# KiCad board KlusterLab r2.0.kicad_pcb (continued)
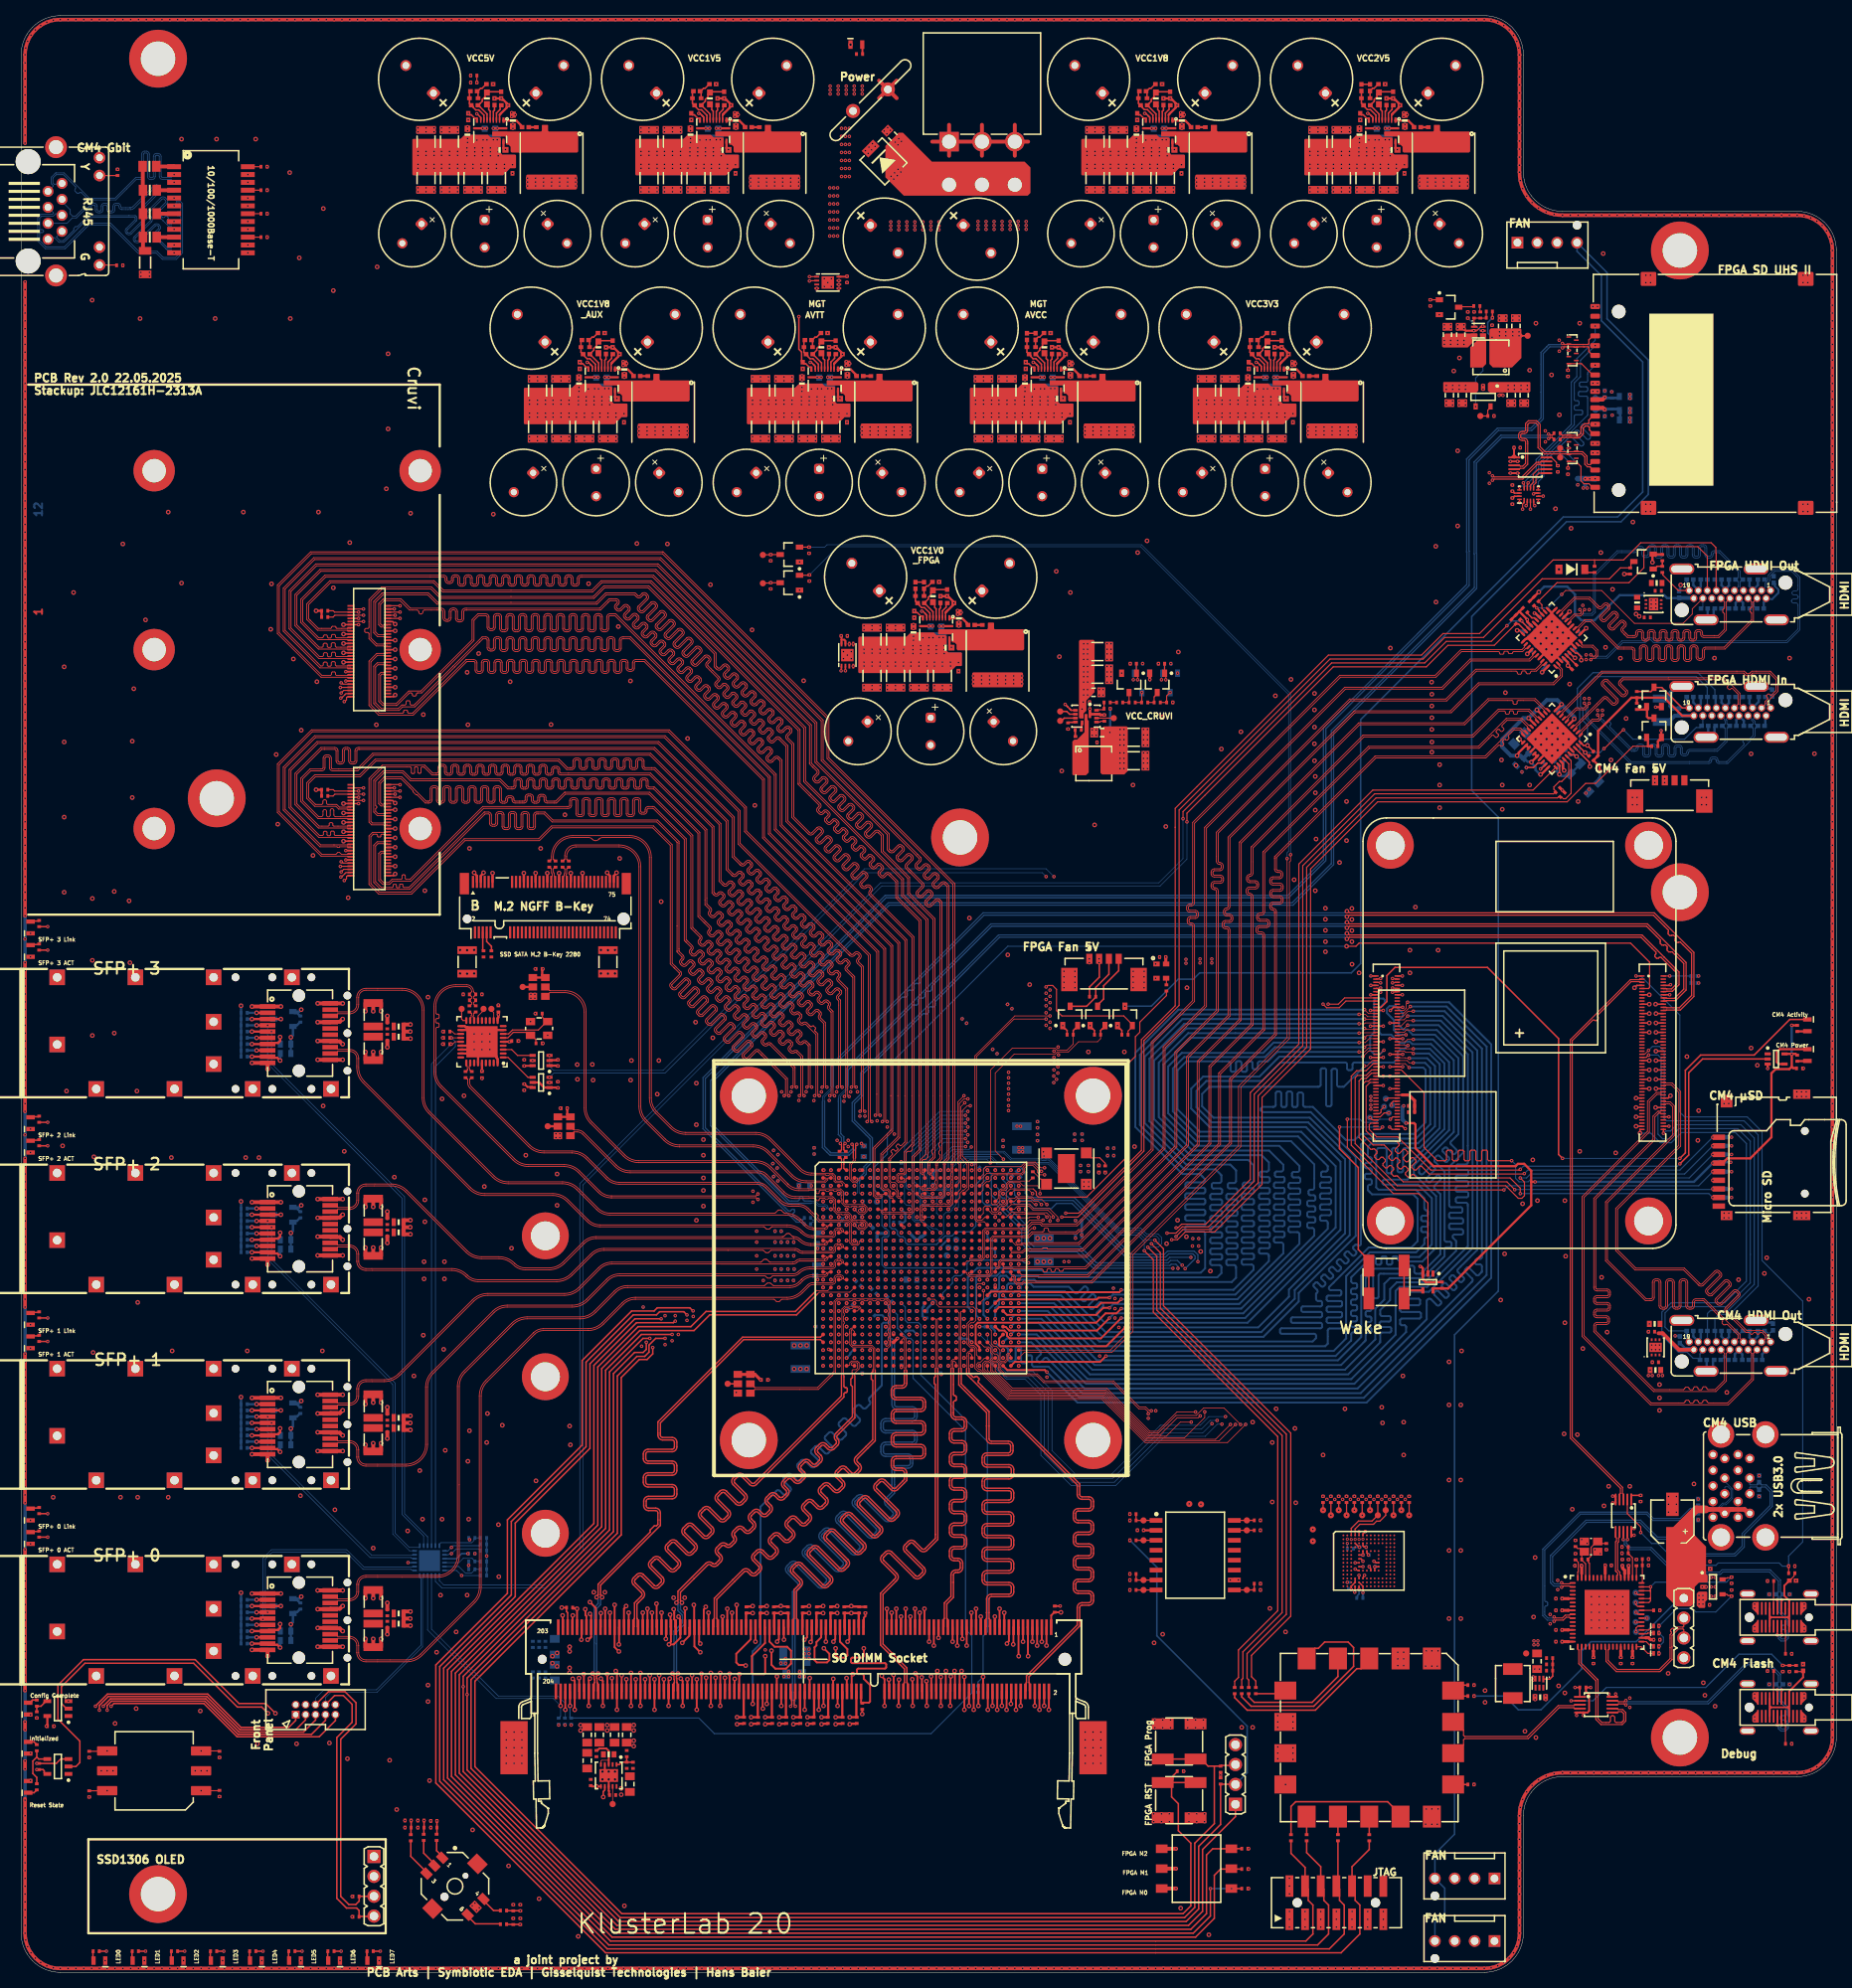
[diagram p0: board, top side]
## Routing (per net, layer and track width the routed paths; a pad name or vN(x,y) marks a point on that pad's centre or on a via; arc(x,y) is an arc through that point) (continued)
CRUVI_B_9_P: length 156.1
  L1 Top w0.114: 85.28,123.55 85.48,123.36 arc(85.48,123.36) 85.48,123.36 arc(85.72,123.25) 85.98,123.32 85.99,123.32 87.17,124.51 arc(87.27,124.55) 87.37,124.51 87.57,124.31 arc(87.61,124.21) 87.57,124.11 arc(87.57,124.11) 87.57,124.11 86.42,122.96 arc(86.31,122.69) 86.42,122.42 86.62,122.22 arc(86.86,122.11) 87.12,122.18 87.12,122.18 88.31,123.37 arc(88.41,123.41) 88.51,123.37 88.71,123.17 arc(88.75,123.07) 88.71,122.97 arc(88.71,122.97) 88.71,122.97 87.56,121.82 arc(87.45,121.55) 87.56,121.28 87.76,121.08 arc(88,120.97) 88.26,121.05 88.26,121.05 89.45,122.23 arc(89.55,122.27) 89.65,122.23 89.85,122.03 arc(89.89,121.93) 89.85,121.83 arc(89.85,121.83) 89.85,121.83 88.69,120.68 arc(88.58,120.41) 88.7,120.14 88.89,119.94 arc(89.14,119.83) 89.39,119.91 89.4,119.91 90.59,121.09 arc(90.68,121.14) 90.78,121.09 90.98,120.89 arc(91.03,120.79) 90.98,120.7 arc(90.98,120.69) 90.98,120.69 89.83,119.54 arc(89.72,119.27) 89.83,119 90.03,118.81 arc(90.27,118.69) 90.53,118.77 90.54,118.77 91.72,119.96 arc(91.82,120) 91.92,119.96 92.12,119.76 arc(92.16,119.66) 92.12,119.56 90.97,118.41 arc(90.86,118.14) 90.97,117.87 91.17,117.67 arc(91.41,117.56) 91.67,117.63 91.67,117.63 92.86,118.82 arc(92.96,118.86) 93.06,118.82 93.26,118.62 arc(93.3,118.52) 93.26,118.42 92.24,117.4 arc(92.13,117.13) 92.24,116.86 arc(92.24,116.86) 92.24,116.86 92.44,116.66 arc(92.44,116.66) 92.44,116.66 arc(92.71,116.55) 92.98,116.66 93.96,117.64 arc(94.06,117.68) 94.16,117.64 97.7,114.1 97.7,112 ; 85.28,123.55 arc(85.28,123.55) 85.28,123.55 ; 85.28,123.55 arc(85.17,123.8) 85.25,124.05 85.25,124.06 86.43,125.25 arc(86.47,125.35) 86.43,125.45 86.23,125.65 arc(86.13,125.69) 86.03,125.65 84.88,124.49 arc(84.61,124.38) 84.34,124.49 84.14,124.69 arc(84.03,124.94) 84.11,125.19 84.11,125.2 85.29,126.38 arc(85.34,126.48) 85.29,126.58 85.1,126.78 arc(85,126.82) 84.9,126.78 arc(84.9,126.78) 84.9,126.78 83.74,125.63 arc(83.47,125.52) 83.2,125.63 83.01,125.83 arc(82.89,126.07) 82.97,126.33 82.97,126.34 84.12,127.48 arc(84.16,127.58) 84.12,127.68 82.97,128.83 82.97,143.98 80.72,146.23 67.88,146.23 66.25,144.6 56.74,144.6 49.91,137.77 45.69,137.77 44.46,139 44.46,145.19 44.92,145.65 46.36,145.65 46.38,145.67 46.78,145.67 J27.32
  L3 Inner2 (Sig) w0.1: v1(112.5,94.5) 112.5,94.41 112.4,94.3 112.4,94.27 112.02,93.9 100.82,93.9 100.4,94.32 100.32,94.32 97.66,96.97 97.66,111.77 97.53,111.91 v1(97.53,112)
CRUVI_B_10_N: length 149
  L1 Top w0.114: J27.40 46.78,144.19 46.38,144.19 46.36,144.21 45.6,144.21 45.3,143.91 45.3,139.35 46.04,138.61 47.43,138.61 arc(47.51,138.65) 47.55,138.73 47.55,138.92 arc(47.57,138.98) 47.63,139.01 47.88,139.01 arc(47.94,138.98) 47.96,138.92 47.96,138.67 arc(47.98,138.61) 48.04,138.59 48.29,138.59 arc(48.35,138.61) 48.37,138.67 48.37,138.95 arc(48.4,139.01) 48.46,139.04 48.71,139.04 arc(48.76,139.01) 48.79,138.95 48.79,138.73 arc(48.82,138.65) 48.9,138.61 49.56,138.61 59.2,148.25 59.72,148.25 arc(59.99,148.14) 60.1,147.87 60.1,146.82 arc(60.14,146.72) 60.24,146.68 60.52,146.68 arc(60.62,146.72) 60.67,146.82 60.67,147.91 arc(60.78,148.18) 61.05,148.29 61.33,148.29 arc(61.6,148.18) 61.71,147.91 61.71,146.39 arc(61.75,146.29) 61.85,146.25 62.13,146.25 arc(62.23,146.29) 62.27,146.39 62.27,147.91 arc(62.39,148.18) 62.66,148.29 62.94,148.29 arc(63.21,148.18) 63.32,147.91 63.32,146.39 arc(63.36,146.29) 63.46,146.25 63.74,146.25 arc(63.84,146.29) 63.88,146.39 63.88,147.91 arc(64,148.18) 64.27,148.29 64.55,148.29 arc(64.82,148.18) 64.93,147.91 64.93,146.39 arc(64.97,146.29) 65.07,146.25 65.35,146.25 arc(65.45,146.29) 65.49,146.39 65.49,147.87 arc(65.6,148.14) 65.87,148.25 66.94,148.25 67.97,147.22 81.34,147.22 84.08,144.48 84.08,144.28 84.08,144.28 84.08,130.56 84.08,130.56 84.08,130.46 84.62,129.93 arc(84.62,129.93) 84.62,129.93 84.65,129.89 84.65,129.89 arc(84.73,129.63) 84.62,129.38 84.43,129.19 arc(84.39,129.09) 84.43,128.99 84.63,128.8 arc(84.73,128.75) 84.83,128.79 85.29,129.25 arc(85.53,129.36) 85.79,129.29 85.8,129.29 85.83,129.25 arc(85.83,129.25) 85.83,129.25 86.07,129.02 86.07,129.01 arc(86.14,128.75) 86.03,128.51 85.57,128.05 arc(85.53,127.95) 85.57,127.85 85.77,127.65 arc(85.87,127.61) 85.97,127.65 86.43,128.11 arc(86.68,128.22) 86.93,128.14 86.94,128.14 87.21,127.87 87.21,127.87 arc(87.29,127.61) 87.18,127.36 86.72,126.91 arc(86.68,126.81) 86.72,126.71 86.92,126.51 arc(87.02,126.47) 87.12,126.51 87.57,126.96 arc(87.82,127.08) 88.08,127 88.08,127 88.35,126.73 88.35,126.72 arc(88.43,126.47) 88.32,126.22 87.86,125.76 arc(87.82,125.66) 87.86,125.56 88.06,125.36 arc(88.16,125.32) 88.26,125.36 88.72,125.82 arc(88.96,125.93) 89.22,125.86 89.23,125.86 89.5,125.59 89.5,125.58 arc(89.57,125.32) 89.46,125.08 arc(89.46,125.08) 89.46,125.08 89,124.62 arc(88.96,124.52) 89.01,124.42 89.2,124.22 arc(89.3,124.18) 89.4,124.22 89.86,124.68 arc(90.11,124.79) 90.37,124.71 90.37,124.71 90.64,124.44 90.64,124.44 arc(90.72,124.18) 90.61,123.93 90.15,123.47 arc(90.11,123.38) 90.15,123.28 90.35,123.08 arc(90.45,123.04) 90.55,123.08 91,123.53 arc(91.25,123.65) 91.51,123.57 91.51,123.57 91.75,123.33 arc(91.75,123.33) 91.75,123.33 91.79,123.3 91.79,123.29 arc(91.86,123.03) 91.75,122.79 91.29,122.33 arc(91.25,122.23) 91.29,122.13 91.49,121.93 arc(91.59,121.89) 91.69,121.93 92.15,122.39 arc(92.39,122.5) 92.65,122.43 92.66,122.43 92.89,122.19 arc(92.89,122.19) 92.89,122.19 92.93,122.15 92.93,122.15 arc(93.01,121.89) 92.89,121.65 92.44,121.19 arc(92.4,121.09) 92.44,120.99 92.64,120.79 arc(92.74,120.75) 92.84,120.79 93.29,121.25 arc(93.29,121.25) 93.29,121.25 arc(93.54,121.36) 93.8,121.28 93.8,121.28 93.84,121.25 arc(93.84,121.25) 93.84,121.25 94.07,121.01 94.07,121.01 arc(94.15,120.75) 94.04,120.5 93.58,120.04 arc(93.54,119.94) 93.58,119.84 93.78,119.65 arc(93.88,119.6) 93.98,119.65 94.44,120.1 arc(94.44,120.1) 94.44,120.1 arc(94.68,120.21) 94.94,120.14 94.95,120.14 95.22,119.87 95.22,119.86 arc(95.29,119.6) 95.18,119.36 94.85,119.03 arc(94.81,118.93) 94.85,118.83 95.05,118.63 arc(95.15,118.59) 95.25,118.63 95.31,118.69 arc(95.56,118.8) 95.81,118.72 95.82,118.72 98.85,115.7 98.85,115.69 98.91,115.63 98.91,113.1
  L3 Inner2 (Sig) w0.1: v1(109.5,95.5) 109.94,95.5 110,95.44 110,95.16 109.94,95.1 102.7,95.1 102.1,95.7 102.1,95.77 98.97,98.9 98.97,112.07 99.11,112.21 99.11,113.1 v1(99.1,113.1)
CRUVI_B_10_P: length 148.5
  L1 Top w0.114: J27.38 46.78,144.47 46.38,144.47 46.36,144.45 45.5,144.45 45.06,144.01 45.06,139.25 45.94,138.37 49.66,138.37 59.3,148.01 59.72,148.01 arc(59.82,147.97) 59.86,147.87 59.86,146.82 arc(59.97,146.55) 60.24,146.44 60.52,146.44 arc(60.79,146.55) 60.91,146.82 60.91,147.91 arc(60.95,148.01) 61.05,148.05 61.33,148.05 arc(61.43,148.01) 61.47,147.91 61.47,146.39 arc(61.58,146.12) 61.85,146.01 62.13,146.01 arc(62.4,146.12) 62.52,146.39 62.52,147.91 arc(62.56,148.01) 62.66,148.05 62.94,148.05 arc(63.04,148.01) 63.08,147.91 63.08,146.39 arc(63.19,146.12) 63.46,146.01 63.74,146.01 arc(64.01,146.12) 64.12,146.39 64.12,147.91 arc(64.17,148.01) 64.27,148.05 64.55,148.05 arc(64.65,148.01) 64.69,147.91 64.69,146.39 arc(64.8,146.12) 65.07,146.01 65.35,146.01 arc(65.62,146.12) 65.73,146.39 65.73,147.87 arc(65.77,147.97) 65.87,148.01 66.84,148.01 67.87,146.98 81.24,146.98 83.84,144.38 83.84,144.38 83.84,133.7 83.83,133.7 83.83,130.46 83.83,130.46 83.83,130.36 84.44,129.75 arc(84.44,129.75) 84.44,129.75 arc(84.49,129.65) 84.44,129.55 84.26,129.37 arc(84.14,129.09) 84.26,128.82 84.46,128.62 arc(84.73,128.51) 85,128.62 arc(85,128.62) 85,128.62 85.46,129.08 arc(85.56,129.12) 85.66,129.08 arc(85.66,129.08) 85.66,129.08 85.86,128.88 arc(85.9,128.78) 85.86,128.68 85.4,128.22 arc(85.29,127.95) 85.4,127.68 85.6,127.48 arc(85.87,127.37) 86.15,127.48 arc(86.15,127.48) 86.15,127.48 86.6,127.94 arc(86.7,127.98) 86.8,127.94 87,127.74 arc(87.04,127.64) 87,127.54 86.54,127.08 arc(86.43,126.81) 86.54,126.53 86.74,126.33 arc(87.02,126.22) 87.29,126.33 arc(87.29,126.34) 87.29,126.34 87.75,126.79 arc(87.85,126.83) 87.95,126.79 88.14,126.59 arc(88.19,126.49) 88.15,126.39 87.69,125.94 arc(87.58,125.66) 87.69,125.39 87.89,125.19 arc(88.16,125.08) 88.43,125.19 arc(88.43,125.19) 88.43,125.19 88.89,125.65 arc(88.99,125.69) 89.09,125.65 89.29,125.45 arc(89.33,125.35) 89.29,125.25 88.83,124.79 arc(88.83,124.79) 88.83,124.79 arc(88.72,124.52) 88.83,124.25 89.03,124.05 arc(89.3,123.93) 89.58,124.05 90.03,124.5 arc(90.13,124.55) 90.23,124.5 90.43,124.31 arc(90.47,124.21) 90.43,124.11 89.98,123.65 arc(89.86,123.38) 89.98,123.1 90.18,122.9 arc(90.45,122.79) 90.72,122.9 91.18,123.36 arc(91.28,123.4) 91.38,123.36 arc(91.38,123.36) 91.38,123.36 91.58,123.16 arc(91.62,123.06) 91.58,122.96 91.12,122.51 arc(91.12,122.51) 91.12,122.5 arc(91.01,122.23) 91.12,121.96 91.32,121.76 arc(91.59,121.65) 91.86,121.76 92.32,122.22 arc(92.42,122.26) 92.52,122.22 92.72,122.02 arc(92.72,122.02) 92.72,122.02 arc(92.76,121.92) 92.72,121.82 92.26,121.36 arc(92.26,121.36) 92.26,121.36 arc(92.15,121.09) 92.26,120.82 92.46,120.62 arc(92.74,120.5) 93.01,120.62 93.47,121.07 arc(93.57,121.11) 93.67,121.07 arc(93.67,121.07) 93.67,121.07 93.86,120.87 arc(93.91,120.77) 93.86,120.67 93.41,120.22 arc(93.29,119.94) 93.41,119.67 93.61,119.47 arc(93.88,119.36) 94.15,119.47 94.61,119.93 arc(94.71,119.97) 94.81,119.93 95.01,119.73 arc(95.05,119.63) 95.01,119.53 94.68,119.2 arc(94.57,118.93) 94.68,118.66 94.88,118.46 arc(95.15,118.34) 95.43,118.46 95.48,118.52 arc(95.58,118.56) 95.68,118.52 98.67,115.53 98.67,113.1
  L3 Inner2 (Sig) w0.1: v1(98.5,113.1) 98.78,112.83 98.78,112.34 98.64,112.2 98.64,98.77 101.84,95.56 101.96,95.56 102.62,94.9 110.02,94.9 110.4,95.27 110.4,95.3 110.5,95.41 v1(110.5,95.5)
CRUVI_B_11_N: length 157.3
  L1 Top w0.114: J27.46 46.78,142.99 46.38,142.99 46.36,143.01 46.1,143.01 45.94,142.85 45.94,139.61 46.3,139.25 46.99,139.25 47.39,139.65 48.56,139.65 arc(48.65,139.69) 48.68,139.78 48.68,140.11 arc(48.72,140.19) 48.81,140.23 48.97,140.23 arc(49.06,140.19) 49.1,140.11 49.1,139.78 arc(49.13,139.69) 49.22,139.65 49.7,139.65 59.01,148.96 69.78,148.96 69.78,148.96 69.96,148.96 arc(70.06,149) 70.1,149.1 70.1,149.69 arc(70.21,149.96) 70.48,150.07 70.77,150.07 arc(71.04,149.96) 71.15,149.69 71.15,148.05 arc(71.19,147.95) 71.29,147.91 71.57,147.91 arc(71.67,147.95) 71.71,148.05 71.71,149.69 arc(71.82,149.96) 72.09,150.07 72.38,150.07 arc(72.65,149.96) 72.76,149.69 72.76,148.05 arc(72.8,147.95) 72.9,147.91 73.18,147.91 arc(73.28,147.95) 73.32,148.05 73.32,149.69 arc(73.43,149.96) 73.7,150.07 73.99,150.07 arc(74.26,149.96) 74.37,149.69 74.37,148.05 arc(74.41,147.95) 74.51,147.91 74.79,147.91 arc(74.89,147.95) 74.93,148.05 74.93,149.69 arc(75.04,149.96) 75.31,150.07 75.59,150.07 arc(75.86,149.96) 75.98,149.69 75.98,148.05 arc(76.02,147.95) 76.12,147.91 76.4,147.91 arc(76.5,147.95) 76.54,148.05 76.54,149.69 arc(76.65,149.96) 76.92,150.07 77.2,150.07 arc(77.47,149.96) 77.59,149.69 77.59,148.05 arc(77.63,147.95) 77.73,147.91 78.01,147.91 arc(78.11,147.95) 78.15,148.05 78.15,149.69 arc(78.26,149.96) 78.53,150.07 78.81,150.07 arc(79.08,149.96) 79.19,149.69 79.19,148.36 arc(79.24,148.26) 79.34,148.22 79.62,148.22 arc(79.72,148.26) 79.76,148.36 79.76,148.57 arc(79.87,148.84) 80.14,148.96 80.68,148.96 80.68,148.96 80.88,148.96 85,144.84 85,131.94 85.78,131.16 arc(85.89,130.89) 85.78,130.62 85.67,130.51 arc(85.63,130.41) 85.67,130.31 85.87,130.11 arc(85.97,130.07) 86.07,130.11 86.48,130.51 arc(86.72,130.62) 86.97,130.55 86.98,130.55 87.25,130.28 87.25,130.27 arc(87.33,130.02) 87.21,129.77 arc(87.21,129.77) 87.21,129.77 86.81,129.37 arc(86.77,129.27) 86.81,129.17 87.01,128.97 arc(87.11,128.93) 87.21,128.97 87.61,129.38 arc(87.86,129.49) 88.11,129.41 88.12,129.41 88.39,129.14 88.39,129.14 arc(88.46,128.88) 88.35,128.64 arc(88.35,128.64) 88.35,128.64 87.95,128.23 arc(87.91,128.13) 87.95,128.03 88.15,127.84 arc(88.25,127.79) 88.35,127.83 88.75,128.24 arc(88.99,128.35) 89.25,128.27 89.26,128.27 89.53,128 89.53,128 arc(89.6,127.74) 89.49,127.5 arc(89.49,127.5) 89.49,127.5 89.09,127.1 arc(89.05,127) 89.09,126.9 89.29,126.7 arc(89.39,126.66) 89.49,126.7 89.89,127.1 arc(90.13,127.21) 90.39,127.14 90.39,127.14 90.66,126.87 90.66,126.86 arc(90.74,126.6) 90.63,126.36 arc(90.63,126.36) 90.63,126.36 90.23,125.96 arc(90.18,125.86) 90.23,125.76 90.42,125.56 arc(90.52,125.52) 90.62,125.56 91.03,125.96 arc(91.27,126.07) 91.53,126 91.53,126 91.8,125.73 91.8,125.72 arc(91.88,125.47) 91.77,125.22 arc(91.77,125.22) 91.77,125.22 91.36,124.82 arc(91.32,124.72) 91.36,124.62 91.56,124.42 arc(91.66,124.38) 91.76,124.42 92.16,124.82 arc(92.16,124.82) 92.16,124.82 arc(92.41,124.94) 92.66,124.86 92.67,124.86 92.94,124.59 92.94,124.58 arc(93.01,124.33) 92.9,124.09 92.5,123.68 arc(92.46,123.58) 92.5,123.48 92.7,123.28 arc(92.8,123.24) 92.9,123.28 93.3,123.69 arc(93.3,123.69) 93.3,123.69 arc(93.55,123.8) 93.8,123.72 93.81,123.72 94.08,123.45 94.08,123.45 arc(94.15,123.19) 94.04,122.95 93.64,122.54 arc(93.6,122.44) 93.64,122.35 93.84,122.15 arc(93.94,122.1) 94.04,122.15 94.44,122.55 arc(94.44,122.55) 94.44,122.55 arc(94.68,122.66) 94.94,122.58 94.94,122.58 95.21,122.31 95.21,122.31 arc(95.29,122.05) 95.18,121.81 94.78,121.41 arc(94.74,121.31) 94.78,121.21 94.98,121.01 arc(95.08,120.97) 95.18,121.01 95.58,121.41 arc(95.58,121.41) 95.58,121.41 arc(95.82,121.52) 96.08,121.45 96.08,121.45 96.35,121.18 96.35,121.17 arc(96.43,120.91) 96.32,120.67 95.91,120.27 arc(95.87,120.17) 95.91,120.07 96.11,119.87 arc(96.21,119.83) 96.31,119.87 96.72,120.27 arc(96.72,120.27) 96.72,120.27 arc(96.96,120.38) 97.22,120.31 97.22,120.31 97.49,120.04 97.49,120.03 arc(97.57,119.78) 97.46,119.53 97.05,119.13 arc(97.01,119.03) 97.05,118.93 97.25,118.73 arc(97.35,118.69) 97.45,118.73 97.78,119.06 arc(98.02,119.17) 98.28,119.1 98.29,119.1 98.55,118.83 98.55,118.82 arc(98.63,118.57) 98.52,118.32 98.3,118.1 arc(98.26,118) 98.3,117.9 98.5,117.7 arc(98.6,117.66) 98.7,117.7 arc(98.94,117.81) 99.2,117.74 99.2,117.74 99.88,117.06 99.88,112
  L3 Inner2 (Sig) w0.1: v1(100.07,112) 100.1,111.97 100.1,111.7 100.11,111.69 100.11,111.11 99.9,110.9 99.9,101.67 100.43,101.14 100.43,99.3 101.65,98.08 101.65,98.01 102.09,97.57 102.09,97.27 102.25,97.1 104.73,97.1 105.12,96.71 105.12,96.3 105.32,96.1 110.94,96.1 111,96.16 111,96.44 110.94,96.5 v1(110.5,96.5)
CRUVI_B_11_P: length 157.3
  L1 Top w0.114: 99.64,112 99.64,116.96 99.07,117.53 arc(99.07,117.53) 99.07,117.53 arc(98.97,117.57) 98.87,117.53 arc(98.6,117.42) 98.33,117.53 98.13,117.73 arc(98.02,118) 98.13,118.27 98.35,118.49 arc(98.39,118.59) 98.35,118.69 arc(98.35,118.69) 98.35,118.69 98.15,118.89 arc(98.05,118.93) 97.95,118.89 97.62,118.56 arc(97.35,118.45) 97.08,118.56 96.88,118.76 arc(96.77,119.03) 96.88,119.3 97.28,119.7 arc(97.33,119.8) 97.28,119.9 97.09,120.1 arc(97.09,120.1) 97.09,120.1 arc(96.99,120.14) 96.89,120.1 96.48,119.7 arc(96.21,119.59) 95.94,119.7 95.74,119.9 arc(95.63,120.17) 95.74,120.44 96.15,120.84 arc(96.19,120.94) 96.15,121.04 95.95,121.24 arc(95.85,121.28) 95.75,121.24 95.35,120.84 arc(95.08,120.73) 94.81,120.84 94.61,121.04 arc(94.49,121.31) 94.61,121.58 95.01,121.98 arc(95.05,122.08) 95.01,122.18 94.81,122.38 arc(94.71,122.42) 94.61,122.38 94.21,121.98 arc(93.94,121.86) 93.67,121.98 93.47,122.17 arc(93.36,122.44) 93.47,122.71 93.87,123.12 arc(93.91,123.22) 93.87,123.32 93.67,123.52 arc(93.57,123.56) 93.47,123.52 93.07,123.11 arc(92.8,123) 92.53,123.11 92.33,123.31 arc(92.22,123.58) 92.33,123.85 92.73,124.26 arc(92.77,124.36) 92.73,124.46 92.53,124.65 arc(92.43,124.7) 92.34,124.65 91.93,124.25 arc(91.66,124.14) 91.39,124.25 91.19,124.45 arc(91.08,124.72) 91.19,124.99 91.6,125.39 arc(91.64,125.49) 91.6,125.59 91.4,125.79 arc(91.3,125.83) 91.2,125.79 90.79,125.39 arc(90.52,125.28) 90.25,125.39 90.05,125.59 arc(89.94,125.86) 90.05,126.13 90.46,126.53 arc(90.5,126.63) 90.46,126.73 90.26,126.93 arc(90.16,126.97) 90.06,126.93 89.66,126.53 arc(89.39,126.42) 89.12,126.53 88.92,126.73 arc(88.81,127) 88.92,127.27 89.32,127.67 arc(89.36,127.77) 89.32,127.87 89.12,128.07 arc(89.02,128.11) 88.92,128.07 88.52,127.67 arc(88.25,127.55) 87.98,127.66 87.78,127.86 arc(87.67,128.13) 87.78,128.4 88.18,128.81 arc(88.22,128.91) 88.18,129.01 arc(88.18,129.01) 88.18,129.01 87.98,129.2 arc(87.88,129.25) 87.78,129.21 87.38,128.8 arc(87.11,128.69) 86.84,128.8 86.64,129 arc(86.53,129.27) 86.64,129.54 87.04,129.95 arc(87.09,130.04) 87.04,130.14 arc(87.04,130.14) 87.04,130.14 86.85,130.34 arc(86.75,130.38) 86.65,130.34 86.24,129.94 arc(85.97,129.83) 85.7,129.94 85.5,130.14 arc(85.39,130.41) 85.5,130.68 85.61,130.79 arc(85.65,130.89) 85.61,130.99 84.76,131.84 84.76,144.74 80.78,148.72 80.14,148.72 arc(80.04,148.67) 80,148.57 80,148.36 arc(79.89,148.09) 79.62,147.98 79.34,147.98 arc(79.07,148.09) 78.95,148.36 78.95,149.69 arc(78.91,149.79) 78.81,149.83 78.53,149.83 arc(78.43,149.79) 78.39,149.69 78.39,148.05 arc(78.28,147.78) 78.01,147.66 77.73,147.66 arc(77.46,147.78) 77.34,148.05 77.34,149.69 arc(77.3,149.79) 77.2,149.83 76.92,149.83 arc(76.82,149.79) 76.78,149.69 76.78,148.05 arc(76.67,147.78) 76.4,147.66 76.12,147.66 arc(75.85,147.78) 75.74,148.05 75.74,149.69 arc(75.69,149.79) 75.59,149.83 75.31,149.83 arc(75.21,149.79) 75.17,149.69 75.17,148.05 arc(75.06,147.78) 74.79,147.66 74.51,147.66 arc(74.24,147.78) 74.13,148.05 74.13,149.69 arc(74.08,149.79) 73.99,149.83 73.7,149.83 arc(73.6,149.79) 73.56,149.69 73.56,148.05 arc(73.45,147.78) 73.18,147.66 72.9,147.66 arc(72.63,147.78) 72.52,148.05 72.52,149.69 arc(72.48,149.79) 72.38,149.83 72.09,149.83 arc(71.99,149.79) 71.95,149.69 71.95,148.05 arc(71.84,147.78) 71.57,147.66 71.29,147.66 arc(71.02,147.78) 70.91,148.05 70.91,149.69 arc(70.87,149.79) 70.77,149.83 70.48,149.83 arc(70.39,149.79) 70.34,149.69 70.34,149.1 arc(70.23,148.83) 69.96,148.72 59.11,148.72 49.82,139.42 47.51,139.42 47.09,139.01 46.2,139.01 45.69,139.51 45.69,142.94 45.99,143.24 46.39,143.24 46.49,143.33 J27.44
  L3 Inner2 (Sig) w0.1: v1(111.5,96.5) 111.5,96.41 111.4,96.3 111.4,96.27 111.02,95.9 105.23,95.9 104.92,96.22 104.92,96.63 104.65,96.9 102.17,96.9 101.89,97.19 101.89,97.49 101.51,97.87 101.39,97.87 ; 101.39,97.87 101.42,97.84 ; 101.39,97.87 100.1,99.16 100.1,101 99.57,101.53 99.57,111.04 99.78,111.24 99.78,111.56 99.77,111.56 99.77,111.7 v1(99.47,112)
CRUVI_B_DI: length 133.4
  L1 Top w0.15: v1(40.9,141.9) 40.97,141.9 41.14,141.73 J27.51
  L3 Inner2 (Sig) w0.15: v1(121,110) 120.4,110 120.1,110.3 120.1,112.3 114.48,117.93 106.74,117.93 71.56,153.1 44.1,153.1 40.5,149.5 40.5,142.3 v1(40.9,141.9)
  L12 Bottom w0.1: v1(121,110) 117.4,110 112.9,105.5 112.9,98.28 113.18,98 113.68,98 113.9,97.77 113.9,96.2 114.2,95.9 115.1,95.9 v1(116.5,94.5)
CRUVI_B_DO: length 121.5
  L1 Top w0.1: U1.C18 119.9,100.9 119.9,103.2 119.7,103.4 119.7,111.2 v1(120.5,112)
  L1 Top w0.15: J27.53 42.15,141.32 40.82,141.32 v1(40.8,141.3)
  L3 Inner2 (Sig) w0.15: v1(40.8,141.3) 40.1,142 40.1,149.7 43.9,153.5 71.73,153.5 106.9,118.33 114.58,118.33 120.45,112.45 120.45,112.05 v1(120.5,112)
CRUVI_B_HSI: length 110.2
  L1 Top w0.15: J27.10 v1(48.43,150.13)
  L3 Inner2 (Sig) w0.15: v1(48.43,150.13) 49.63,150.13 49.8,150.3 70.4,150.3 105.58,115.12 113.78,115.12 118,110.9 118,107.8 119.3,106.5 120.67,106.5 v1(120.69,106.52)
  L12 Bottom w0.1: v1(117.5,96.5) 117,97 117,98.7 117.3,99 117.7,99 117.9,99.2 117.9,99.72 117.72,99.9 116.1,99.9 115.8,100.2 115.8,104.5 117.82,106.52 v1(120.69,106.52)
CRUVI_B_HSIO: length 110.4
  L1 Top w0.15: v1(48.43,151.73) 48.4,151.76 46.87,151.76 J27.2
  L3 Inner2 (Sig) w0.15: v1(120.7,108.5) 120,108.5 119.2,109.3 119.2,111.7 114.18,116.73 106.24,116.73 71.07,151.9 49.1,151.9 48.93,151.73 v1(48.43,151.73)
  L12 Bottom w0.1: v1(120.7,108.5) 117.5,108.5 114.1,105.1 114.1,101.1 114.7,100.5 114.7,99.3 115.1,98.9 115.1,98.1 115.2,98 116,98 v1(116.5,97.5)
CRUVI_B_HSO: length 108.3
  L1 Top w0.15: J27.6 v1(48.43,150.93)
  L3 Inner2 (Sig) w0.15: v1(48.43,150.93) 49.43,150.93 49.6,151.1 70.73,151.1 105.91,115.93 113.98,115.93 118.6,111.3 118.6,108.6 119.7,107.5 v1(120.7,107.5)
  L12 Bottom w0.1: v1(117.5,99.5) 117,99 116.4,99 116.1,99.3 115.6,99.3 115.2,99.7 115.2,105.2 117.5,107.5 v1(120.7,107.5)
CRUVI_B_MODE: length 129.2
  L1 Top w0.1: U1.E18 120,99 120,99.57 120.38,99.95 120.52,99.95 120.9,100.33 120.9,103.2 120.1,104 120.1,110.6 v1(120.6,111.1)
  L1 Top w0.15: J27.57 42.15,140.52 41.52,140.52 41.08,140.08 41.06,140.08 40.94,139.96 v1(40.86,139.96)
  L3 Inner2 (Sig) w0.15: v1(40.86,139.96) 39.3,141.51 39.3,149.9 43.7,154.3 72.06,154.3 107.23,119.12 114.78,119.12 121.4,112.5 121.4,111.4 121.1,111.1 v1(120.6,111.1)
CRUVI_B_REFCLK: length 112.5
  L1 Top w0.15: J27.11 v1(43.76,149.73)
  L3 Inner2 (Sig) w0.15: v1(43.76,149.73) 45.85,149.73 45.99,149.88 48,149.88 48.14,149.73 49.73,149.73 49.9,149.9 70.24,149.9 105.41,114.73 113.68,114.73 117.7,110.7 117.7,107.4 119.1,106 120.93,106 v1(120.98,106.05)
  L12 Bottom w0.1: v1(120.98,106.05) 117.95,106.05 116.1,104.2 116.1,100.3 116.3,100.1 117.8,100.1 118.1,99.8 118.1,99.1 v1(117.5,98.5)
CRUVI_B_RESET: length 106.6
  L1 Top w0.15: J27.8 v1(47.8,150.53)
  L3 Inner2 (Sig) w0.15: v1(47.8,150.53) 49.53,150.53 49.7,150.7 70.57,150.7 105.74,115.53 113.88,115.53 118.3,111.1 118.3,108.2 119.5,107 v1(121,107)
  L12 Bottom w0.1: v1(116.5,99.5) 116,99.5 115.5,100 115.5,105 117.5,107 v1(121,107)
CRUVI_B_SCK: length 129.9
  L1 Top w0.1: v1(121.31,110.72) 120.92,110.72 120.3,110.1 120.3,104.3 121.1,103.5 121.1,100.1 U1.D19
  L1 Top w0.15: v1(41.3,139.5) 41.36,139.5 41.59,139.73 41.59,140 41.67,140.09 42.13,140.09 J27.59
  L3 Inner2 (Sig) w0.15: v1(41.3,139.5) 40.6,139.5 38.9,141.2 38.9,150 43.6,154.7 72.23,154.7 107.4,119.53 114.88,119.53 121.7,112.7 121.7,111.07 121.35,110.72 v1(121.31,110.72)
CRUVI_B_SEL: length 125.3
  L1 Top w0.1: v1(121,111.6) 120.5,111.6 119.9,111 119.9,103.6 120.1,103.4 120.1,100.82 120.1,100.1 U1.D18
  L1 Top w0.15: v1(40.9,140.6) 41.23,140.93 J27.55
  L3 Inner2 (Sig) w0.15: v1(40.9,140.6) 39.7,141.8 39.7,149.8 43.8,153.9 71.89,153.9 107.07,118.73 114.68,118.73 121,112.4 v1(121,111.6)
CRUVI_B_SMB_ALERT: length 117.8
  L1 Top w0.15: J27.3 v1(43.76,151.33)
  L3 Inner2 (Sig) w0.15: v1(121,109) 120.1,109 119.5,109.6 119.5,111.9 114.28,117.13 106.41,117.13 71.23,152.3 44.73,152.3 v1(43.76,151.33)
  L12 Bottom w0.1: v1(121,109) 117.5,109 113.9,105.4 113.9,100.9 114.4,100.4 114.4,99.3 114.9,98.8 114.9,96.9 115.3,96.5 v1(116.5,96.5)
CRUVI_B_SMB_SCL: length 116.9
  L1 Top w0.15: v1(43.76,150.53) J27.7 40.1,150.53 39.87,150.3 R286.1
  L3 Inner2 (Sig) w0.15: v1(43.76,150.53) 46.89,150.53 47.3,150.94 47.87,150.94 48.26,151.33 49.03,151.33 49.2,151.5 70.9,151.5 106.07,116.33 114.08,116.33 118.9,111.5 118.9,108.9 119.8,108 v1(121,108)
  L12 Bottom w0.1: v1(116.5,98.5) 116,99 115.5,99 114.9,99.6 114.9,105.4 117.5,108 v1(121,108)
CRUVI_B_SMB_SDA: length 124.7
  L1 Top w0.15: R284.1 39.9,151.1 40.07,150.93 J27.5 v1(43.13,150.93)
  L3 Inner2 (Sig) w0.15: v1(120.7,109.5) 120.68,109.52 120.28,109.52 119.8,110 119.8,112.1 114.38,117.53 106.57,117.53 71.4,152.7 44.4,152.7 43.13,151.43 v1(43.13,150.93)
  L12 Bottom w0.1: v1(117.5,94.5) 117,95 116.5,95 116.38,95.13 116.34,95.13 116.18,95.28 116,95.28 115.18,96.1 114.3,96.1 114.1,96.3 114.1,99.65 113.75,100 113.4,100 113.1,100.3 113.1,105.1 117.5,109.5 v1(120.7,109.5)
DAT01/RCLK_N: length 22.2
  L1 Top w0.15: U39.4 191.49,192.05 191.6,192.16 192.04,192.16 192.55,192.68 192.55,195.54 arc(192.42,195.86) 192.1,196 191.84,196 arc(191.71,196.05) 191.66,196.18 191.66,196.42 arc(191.71,196.54) 191.84,196.6 192.1,196.6 arc(192.42,196.73) 192.55,197.05 192.55,197.77 192.76,197.97 193.58,197.97 193.87,197.68 193.87,194.81 194.67,194 196.7,194 ; 196.7,194 199.45,194 199.85,193.61 199.85,192.69 200.19,192.35 200.54,192.35 200.62,192.26 200.62,192.24 200.92,191.94 J19.19 ; 196.7,194 TP37.1
DAT01/RCLK_P: length 22.1
  L1 Top w0.15: U39.3 191.49,192.55 191.6,192.44 191.92,192.44 192.28,192.8 192.28,195.54 arc(192.22,195.67) 192.1,195.72 191.84,195.72 arc(191.51,195.85) 191.38,196.18 191.38,196.42 arc(191.51,196.74) 191.84,196.87 192.1,196.87 arc(192.22,196.93) 192.28,197.05 192.28,197.88 192.64,198.24 193.7,198.24 194.13,197.81 ; 196.7,194.75 TP36.1 196.7,194.3 ; J19.18 200.92,193.04 200.62,192.74 200.62,192.72 200.54,192.63 200.3,192.63 200.13,192.8 200.13,193.72 199.57,194.28 194.79,194.28 194.15,194.92 194.15,197.71
DDR3_A0: length 57.3
  L1 Top w0.249: v2(100.15,33.55) J1.98
  L3 Inner2 (Sig) w0.154: v2(100.15,33.55) 98.6,35.1 98.6,35.63 arc(98.55,35.74) 98.45,35.79 97.75,35.79 arc(97.64,35.83) 97.6,35.94 97.6,36.24 arc(97.64,36.34) 97.75,36.39 99.79,36.39 arc(99.9,36.43) 99.95,36.54 99.95,36.84 arc(99.9,36.95) 99.79,36.99 98.75,36.99 arc(98.65,37.04) 98.6,37.15 98.6,40.82 arc(98.55,40.93) 98.45,40.97 98.03,40.97 arc(97.92,41.02) 97.87,41.12 97.87,41.42 arc(97.92,41.53) 98.03,41.58 98.45,41.58 arc(98.55,41.62) 98.6,41.73 98.6,42.5 97.7,43.4 97.7,54.7 108.5,65.5 108.5,72.99 v1(108.5,77.5)
DDR3_A1: length 58.6
  L1 Top w0.249: v2(100.1,42.5) 100.14,42.5 100.45,42.81 J1.97
  L3 Inner2 (Sig) w0.154: v2(100.1,42.5) 100.07,42.53 100.07,43.03 98.9,44.2 98.9,52.8 99.26,53.16 arc(99.32,53.31) 99.26,53.46 98.99,53.72 arc(98.93,53.87) 98.99,54.02 99.3,54.32 arc(99.45,54.38) 99.6,54.32 100.5,53.42 arc(100.65,53.36) 100.8,53.42 101.1,53.73 arc(101.16,53.88) 101.1,54.03 100.2,54.93 arc(100.14,55.08) 100.2,55.23 100.5,55.53 arc(100.65,55.59) 100.81,55.53 101.7,54.63 arc(101.85,54.57) 102.01,54.63 102.31,54.93 arc(102.37,55.08) 102.31,55.24 101.41,56.13 arc(101.35,56.28) 101.41,56.44 101.71,56.74 arc(101.86,56.8) 102.01,56.74 102.91,55.84 arc(103.06,55.78) 103.21,55.84 103.52,56.14 arc(103.58,56.29) 103.52,56.44 102.62,57.34 arc(102.55,57.49) 102.62,57.64 102.92,57.95 arc(103.07,58.01) 103.22,57.95 104.12,57.05 arc(104.27,56.98) 104.42,57.05 104.72,57.35 arc(104.79,57.5) 104.72,57.65 103.82,58.55 arc(103.76,58.7) 103.82,58.85 104.13,59.15 arc(104.28,59.22) 104.43,59.15 105.33,58.25 arc(105.48,58.19) 105.63,58.25 105.93,58.56 arc(105.99,58.71) 105.93,58.86 105.6,59.19 arc(105.53,59.35) 105.6,59.5 106.2,60.1 106.2,61.2 109.5,64.5 109.5,73.3 v1(109.5,79.5)